# KiCad board keyboard.kicad_pcb
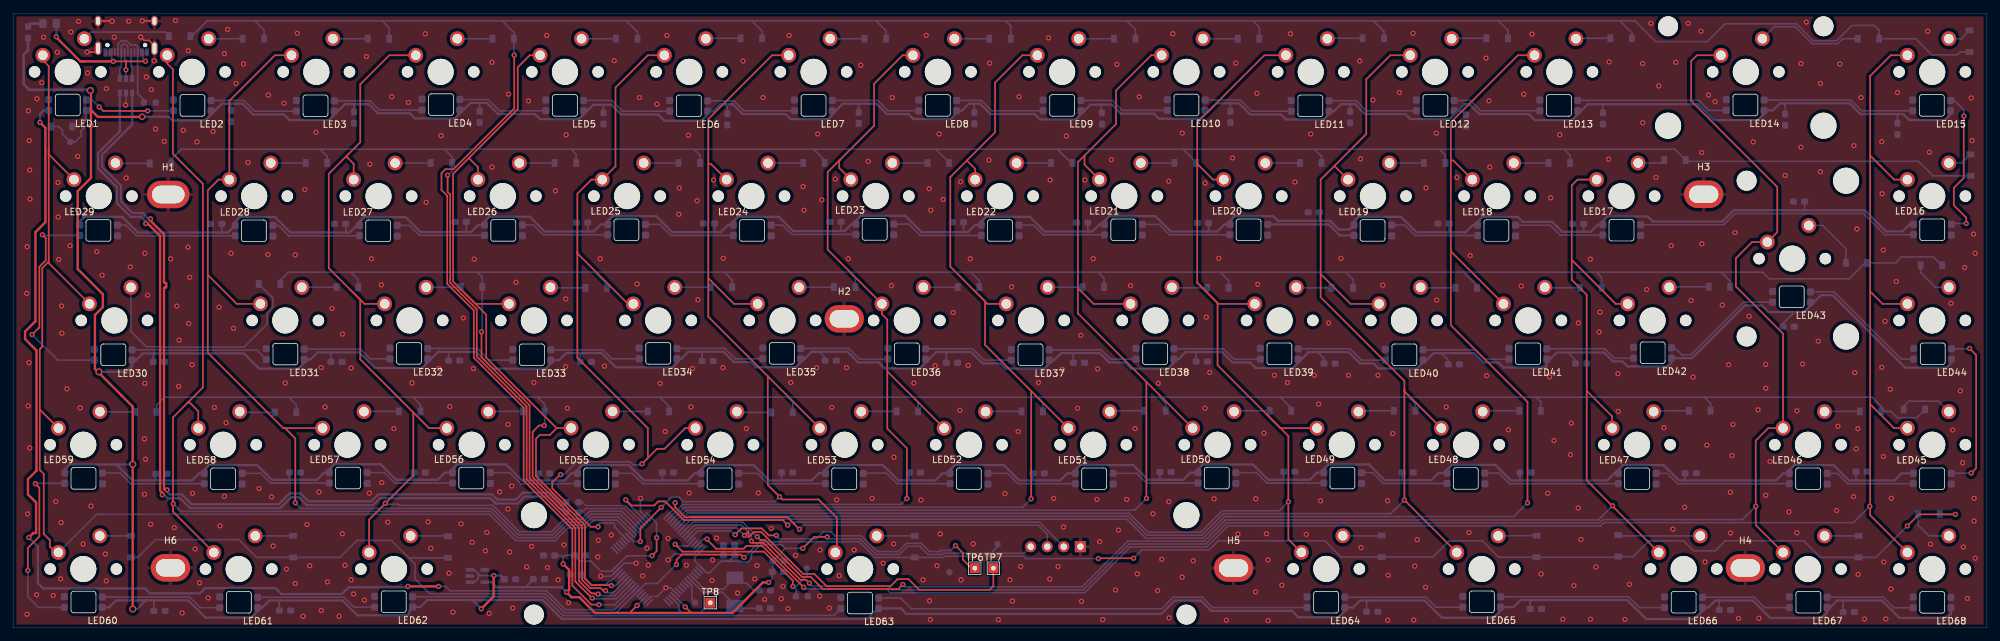
[diagram p0: board, top side]
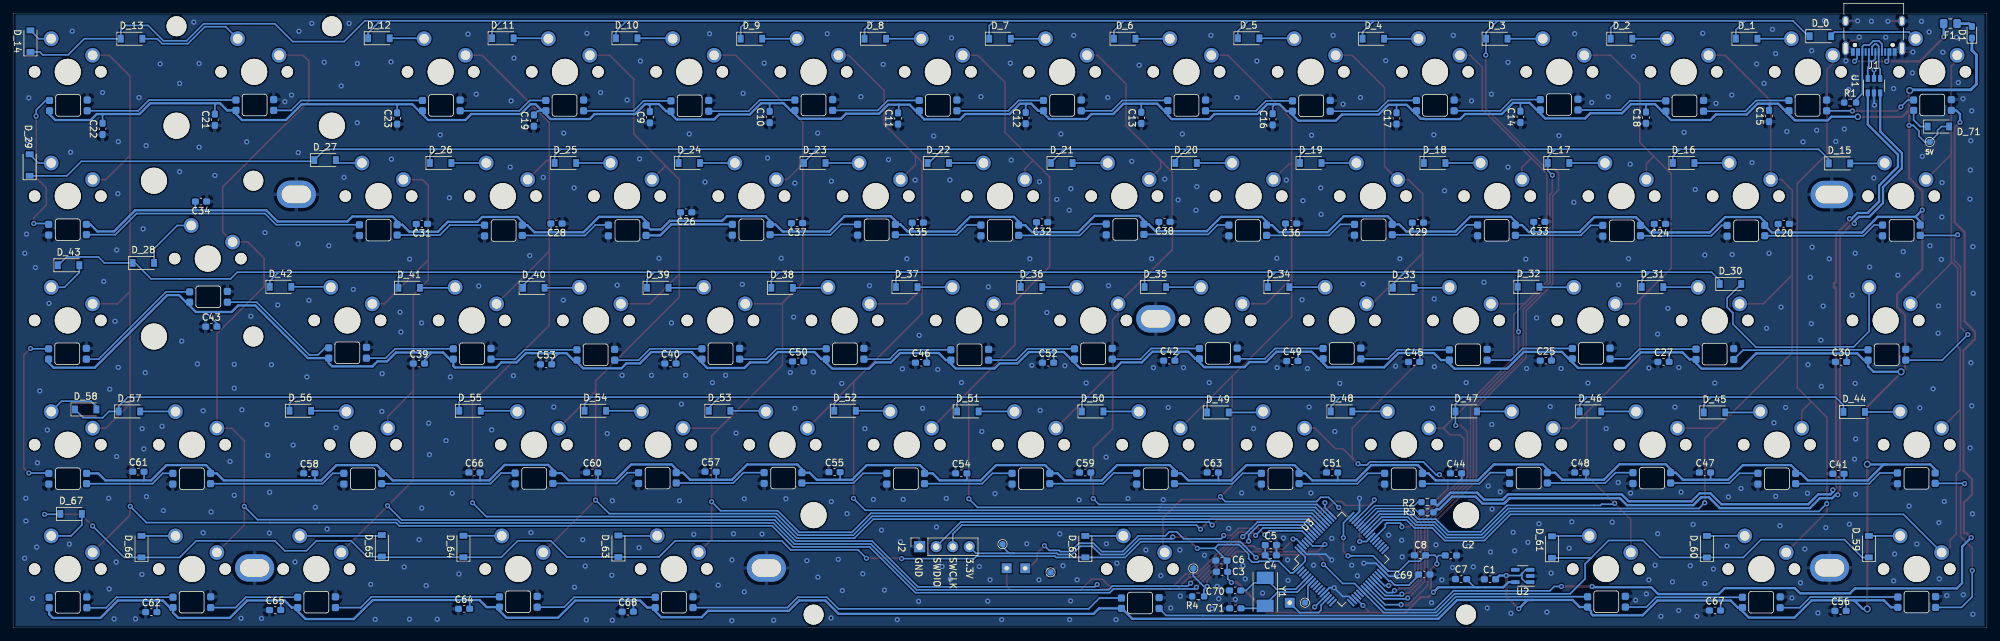
[diagram p1: board, bottom side, seen from below]

Outline 302.51 x 94.24 mm; copper layers: Top, Bottom. Coordinates in mm from the lower left corner of the outline.
Outline path: 0,94.24 302.51,94.24 302.51,0 0,0 0,94.24

## Placement (name value [footprint] x y rotation side)
C1  4.7uF  [C_0603_1608Metric_Pad1.08x0.95mm_HandSolder]  76.16 7.46 0 bottom
C2  100nF  [C_0603_1608Metric_Pad1.08x0.95mm_HandSolder]  82.15 11.11 180 bottom
C3  4.7uF  [C_0603_1608Metric_Pad1.08x0.95mm_HandSolder]  117.22 8.6 180 bottom
C4  100nF  [C_0603_1608Metric_Pad1.08x0.95mm_HandSolder]  109.75 11.14 0 bottom
C5  4.7uF  [C_0603_1608Metric_Pad1.08x0.95mm_HandSolder]  109.75 12.71 0 bottom
C6  100nF  [C_0603_1608Metric_Pad1.08x0.95mm_HandSolder]  117.32 10.32 180 bottom
C7  4.7uF  [C_0603_1608Metric_Pad1.08x0.95mm_HandSolder]  80.59 7.48 180 bottom
C8  100nF  [C_0603_1608Metric_Pad1.08x0.95mm_HandSolder]  86.89 11.14 180 bottom
C9  100nF  [C_0603_1608Metric_Pad1.08x0.95mm_HandSolder]  204.91 78.27 90 bottom
C10  100nF  [C_0603_1608Metric_Pad1.08x0.95mm_HandSolder]  186.56 78.31 90 bottom
C11  100nF  [C_0603_1608Metric_Pad1.08x0.95mm_HandSolder]  166.88 78.08 90 bottom
C12  100nF  [C_0603_1608Metric_Pad1.08x0.95mm_HandSolder]  147.32 78.14 90 bottom
C13  100nF  [C_0603_1608Metric_Pad1.08x0.95mm_HandSolder]  129.6 78.18 90 bottom
C14  100nF  [C_0603_1608Metric_Pad1.08x0.95mm_HandSolder]  71.5 78.33 90 bottom
C15  100nF  [C_0603_1608Metric_Pad1.08x0.95mm_HandSolder]  33.4 78.46 90 bottom
C16  100nF  [C_0603_1608Metric_Pad1.08x0.95mm_HandSolder]  109.47 77.95 90 bottom
C17  100nF  [C_0603_1608Metric_Pad1.08x0.95mm_HandSolder]  90.49 78.09 90 bottom
C18  100nF  [C_0603_1608Metric_Pad1.08x0.95mm_HandSolder]  52.26 78.21 90 bottom
C19  100nF  [C_0603_1608Metric_Pad1.08x0.95mm_HandSolder]  222.69 77.76 90 bottom
C20  100nF  [C_0603_1608Metric_Pad1.08x0.95mm_HandSolder]  31.14 61.92 0 bottom
C21  100nF  [C_0603_1608Metric_Pad1.08x0.95mm_HandSolder]  271.59 77.89 90 bottom
C22  100nF  [C_0603_1608Metric_Pad1.08x0.95mm_HandSolder]  288.8 76.49 90 bottom
C23  100nF  [C_0603_1608Metric_Pad1.08x0.95mm_HandSolder]  243.65 78.08 90 bottom
C24  100nF  [C_0603_1608Metric_Pad1.08x0.95mm_HandSolder]  50.13 61.92 0 bottom
C25  100nF  [C_0603_1608Metric_Pad1.08x0.95mm_HandSolder]  67.6 40.97 180 bottom
C26  100nF  [C_0603_1608Metric_Pad1.08x0.95mm_HandSolder]  199.35 63.7 0 bottom
C27  100nF  [C_0603_1608Metric_Pad1.08x0.95mm_HandSolder]  49.57 40.78 180 bottom
C28  100nF  [C_0603_1608Metric_Pad1.08x0.95mm_HandSolder]  219.23 61.99 0 bottom
C29  100nF  [C_0603_1608Metric_Pad1.08x0.95mm_HandSolder]  87.21 62.12 0 bottom
C30  100nF  [C_0603_1608Metric_Pad1.08x0.95mm_HandSolder]  22.35 40.78 180 bottom
C31  100nF  [C_0603_1608Metric_Pad1.08x0.95mm_HandSolder]  239.87 61.92 0 bottom
C32  100nF  [C_0603_1608Metric_Pad1.08x0.95mm_HandSolder]  144.81 62.18 0 bottom
C33  100nF  [C_0603_1608Metric_Pad1.08x0.95mm_HandSolder]  68.61 62.24 0 bottom
C34  100nF  [C_0603_1608Metric_Pad1.08x0.95mm_HandSolder]  273.71 65.35 0 bottom
C35  100nF  [C_0603_1608Metric_Pad1.08x0.95mm_HandSolder]  163.86 62.12 0 bottom
C36  100nF  [C_0603_1608Metric_Pad1.08x0.95mm_HandSolder]  106.64 61.99 0 bottom
C37  100nF  [C_0603_1608Metric_Pad1.08x0.95mm_HandSolder]  182.37 62.05 0 bottom
C38  100nF  [C_0603_1608Metric_Pad1.08x0.95mm_HandSolder]  126.05 62.24 0 bottom
C39  100nF  [C_0603_1608Metric_Pad1.08x0.95mm_HandSolder]  240.31 40.53 180 bottom
C40  100nF  [C_0603_1608Metric_Pad1.08x0.95mm_HandSolder]  201.77 40.53 180 bottom
C41  100nF  [C_0603_1608Metric_Pad1.08x0.95mm_HandSolder]  22.76 23.63 180 bottom
C42  100nF  [C_0603_1608Metric_Pad1.08x0.95mm_HandSolder]  125.31 40.97 180 bottom
C43  100nF  [C_0603_1608Metric_Pad1.08x0.95mm_HandSolder]  272.12 46.18 180 bottom
C44  100nF  [C_0603_1608Metric_Pad1.08x0.95mm_HandSolder]  81.37 23.7 180 bottom
C45  100nF  [C_0603_1608Metric_Pad1.08x0.95mm_HandSolder]  87.78 40.78 180 bottom
C46  100nF  [C_0603_1608Metric_Pad1.08x0.95mm_HandSolder]  163.35 40.65 180 bottom
C47  100nF  [C_0603_1608Metric_Pad1.08x0.95mm_HandSolder]  43.21 23.82 180 bottom
C48  100nF  [C_0603_1608Metric_Pad1.08x0.95mm_HandSolder]  62.32 23.82 180 bottom
C49  100nF  [C_0603_1608Metric_Pad1.08x0.95mm_HandSolder]  106.45 40.91 180 bottom
C50  100nF  [C_0603_1608Metric_Pad1.08x0.95mm_HandSolder]  182.18 40.84 180 bottom
C51  100nF  [C_0603_1608Metric_Pad1.08x0.95mm_HandSolder]  100.36 23.82 180 bottom
C52  100nF  [C_0603_1608Metric_Pad1.08x0.95mm_HandSolder]  143.89 40.65 180 bottom
C53  100nF  [C_0603_1608Metric_Pad1.08x0.95mm_HandSolder]  220.82 40.4 180 bottom
C54  100nF  [C_0603_1608Metric_Pad1.08x0.95mm_HandSolder]  157.19 23.7 180 bottom
C55  100nF  [C_0603_1608Metric_Pad1.08x0.95mm_HandSolder]  176.62 23.89 180 bottom
C56  100nF  [C_0603_1608Metric_Pad1.08x0.95mm_HandSolder]  22.44 2.62 180 bottom
C57  100nF  [C_0603_1608Metric_Pad1.08x0.95mm_HandSolder]  195.61 23.95 180 bottom
C58  100nF  [C_0603_1608Metric_Pad1.08x0.95mm_HandSolder]  257.11 23.7 180 bottom
C59  100nF  [C_0603_1608Metric_Pad1.08x0.95mm_HandSolder]  138.2 23.82 180 bottom
C60  100nF  [C_0603_1608Metric_Pad1.08x0.95mm_HandSolder]  213.74 23.82 180 bottom
C61  100nF  [C_0603_1608Metric_Pad1.08x0.95mm_HandSolder]  283.3 23.95 180 bottom
C62  100nF  [C_0603_1608Metric_Pad1.08x0.95mm_HandSolder]  281.33 2.43 180 bottom
C63  100nF  [C_0603_1608Metric_Pad1.08x0.95mm_HandSolder]  118.64 23.82 180 bottom
C64  100nF  [C_0603_1608Metric_Pad1.08x0.95mm_HandSolder]  233.39 2.93 180 bottom
C65  100nF  [C_0603_1608Metric_Pad1.08x0.95mm_HandSolder]  262.34 2.74 180 bottom
C66  100nF  [C_0603_1608Metric_Pad1.08x0.95mm_HandSolder]  231.8 23.82 180 bottom
C67  100nF  [C_0603_1608Metric_Pad1.08x0.95mm_HandSolder]  41.68 2.68 180 bottom
C68  100nF  [C_0603_1608Metric_Pad1.08x0.95mm_HandSolder]  208.31 2.49 180 bottom
C69  2.2uF  [C_0603_1608Metric_Pad1.08x0.95mm_HandSolder]  86.24 8.2 180 bottom
C70  22pF  [C_0603_1608Metric_Pad1.08x0.95mm_HandSolder]  115.22 5.75 0 bottom
C71  22pF  [C_0603_1608Metric_Pad1.08x0.95mm_HandSolder]  115.19 3.01 0 bottom
D1  D_Small  [D_0603_1608Metric_Pad1.05x0.95mm_HandSolder]  2.31 91.29 90 bottom
D_0  D  [D_SOD-123]  25.53 90.69 180 bottom
D_1  D  [D_SOD-123]  36.83 90.31 180 bottom
D_2  D  [D_SOD-123]  56.01 90.31 180 bottom
D_3  D  [D_SOD-123]  75.12 90.31 180 bottom
D_4  D  [D_SOD-123]  94.04 90.31 180 bottom
D_5  D  [D_SOD-123]  113.16 90.37 180 bottom
D_6  D  [D_SOD-123]  132.14 90.31 180 bottom
D_7  D  [D_SOD-123]  151.26 90.31 180 bottom
D_8  D  [D_SOD-123]  170.37 90.31 180 bottom
D_9  D  [D_SOD-123]  189.36 90.31 180 bottom
D_10  D  [D_SOD-123]  208.47 90.37 180 bottom
D_11  D  [D_SOD-123]  227.46 90.37 180 bottom
D_12  D  [D_SOD-123]  246.44 90.37 180 bottom
D_13  D  [D_SOD-123]  284.35 90.31 180 bottom
D_14  D  [D_SOD-123]  299.85 89.93 90 bottom
D_15  D  [D_SOD-123]  22.6 71.2 180 bottom
D_16  D  [D_SOD-123]  46.48 71.26 180 bottom
D_17  D  [D_SOD-123]  65.66 71.26 180 bottom
D_18  D  [D_SOD-123]  84.64 71.26 180 bottom
D_19  D  [D_SOD-123]  103.63 71.26 180 bottom
D_20  D  [D_SOD-123]  122.75 71.26 180 bottom
D_21  D  [D_SOD-123]  141.79 71.26 180 bottom
D_22  D  [D_SOD-123]  160.72 71.26 180 bottom
D_23  D  [D_SOD-123]  179.64 71.26 180 bottom
D_24  D  [D_SOD-123]  198.88 71.26 180 bottom
D_25  D  [D_SOD-123]  217.87 71.26 180 bottom
D_26  D  [D_SOD-123]  236.98 71.26 180 bottom
D_27  D  [D_SOD-123]  254.7 71.7 180 bottom
D_28  D  [D_SOD-123]  282.55 55.94 180 bottom
D_29  D  [D_SOD-123]  299.97 70.94 90 bottom
D_30  D  [D_SOD-123]  39.31 52.72 180 bottom
D_31  D  [D_SOD-123]  51.26 52.23 180 bottom
D_32  D  [D_SOD-123]  70.26 52.29 180 bottom
D_33  D  [D_SOD-123]  89.38 52.13 180 bottom
D_34  D  [D_SOD-123]  108.56 52.23 180 bottom
D_35  D  [D_SOD-123]  127.46 52.23 180 bottom
D_36  D  [D_SOD-123]  146.43 52.23 180 bottom
D_37  D  [D_SOD-123]  165.56 52.23 180 bottom
D_38  D  [D_SOD-123]  184.66 52.13 180 bottom
D_39  D  [D_SOD-123]  203.71 52.13 180 bottom
D_40  D  [D_SOD-123]  222.71 52.13 180 bottom
D_41  D  [D_SOD-123]  241.81 52.13 180 bottom
D_42  D  [D_SOD-123]  261.52 52.29 180 bottom
D_43  D  [D_SOD-123]  294 55.59 180 bottom
D_44  D  [D_SOD-123]  20.35 33.11 180 bottom
D_45  D  [D_SOD-123]  41.76 33.03 180 bottom
D_46  D  [D_SOD-123]  60.78 33.18 180 bottom
D_47  D  [D_SOD-123]  79.81 33.18 180 bottom
D_48  D  [D_SOD-123]  98.91 33.18 180 bottom
D_49  D  [D_SOD-123]  117.86 33.03 180 bottom
D_50  D  [D_SOD-123]  137.06 33.18 180 bottom
D_51  D  [D_SOD-123]  156.18 33.18 180 bottom
D_52  D  [D_SOD-123]  175.01 33.29 180 bottom
D_53  D  [D_SOD-123]  194.23 33.29 180 bottom
D_54  D  [D_SOD-123]  213.28 33.29 180 bottom
D_55  D  [D_SOD-123]  232.49 33.29 180 bottom
D_56  D  [D_SOD-123]  258.5 33.29 180 bottom
D_57  D  [D_SOD-123]  284.68 33.18 180 bottom
D_58  D  [D_SOD-123]  291.39 33.49 180 bottom
D_59  D  [D_SOD-123]  18.1 12.46 90 bottom
D_60  D  [D_SOD-123]  42.93 12.46 90 bottom
D_61  D  [D_SOD-123]  66.68 12.39 90 bottom
D_62  D  [D_SOD-123]  138.18 12.46 90 bottom
D_63  D  [D_SOD-123]  209.74 12.52 90 bottom
D_64  D  [D_SOD-123]  233.49 12.48 90 bottom
D_65  D  [D_SOD-123]  246 12.58 90 bottom
D_66  D  [D_SOD-123]  282.83 12.46 90 bottom
D_67  D  [D_SOD-123]  293.62 17.49 180 bottom
D_71  D  [D_SOD-123]  7.44 76.85 180 bottom
F1  500mA  [Fuse_0805_2012Metric_Pad1.15x1.40mm_HandSolder]  5.61 92.63 180 bottom
H1  MountingHole_Pad  [MountingHole_3.2mm_M3_Pad]  23.79 66.43 0 top
H2  MountingHole_Pad  [MountingHole_3.2mm_M3_Pad#2]  127.39 47.38 0 top
H3  MountingHole_Pad  [MountingHole_3.2mm_M3_Pad#2]  259.1 66.46 0 top
H4  MountingHole_Pad  [MountingHole_3.2mm_M3_Pad#2]  265.49 9.2 0 top
H5  MountingHole_Pad  [MountingHole_3.2mm_M3_Pad#2]  187.06 9.19 0 top
H6  MountingHole_Pad  [MountingHole_3.2mm_M3_Pad#2]  24.13 9.22 0 top
J1  USB_C_Receptacle_USB2.0  [USB_C_Receptacle_XKB_U262-16XN-4BVC11]  17.35 91.95 0 bottom
J2  Conn_01x04_Male  [PinSocket_1x04_P2.54mm_Vertical]  163.58 12.46 90 bottom
K_0  KEYSW  [MXOnly-1U-NoLED]  8.38 85.23 0 top
K_1  KEYSW  [MXOnly-1U-NoLED]  27.43 85.23 0 top
K_2  KEYSW  [MXOnly-1U-NoLED]  46.48 85.23 0 top
K_3  KEYSW  [MXOnly-1U-NoLED]  65.53 85.23 0 top
K_4  KEYSW  [MXOnly-1U-NoLED]  84.58 85.23 0 top
K_5  KEYSW  [MXOnly-1U-NoLED]  103.63 85.23 0 top
K_6  KEYSW  [MXOnly-1U-NoLED]  122.68 85.23 0 top
K_7  KEYSW  [MXOnly-1U-NoLED]  141.73 85.23 0 top
K_8  KEYSW  [MXOnly-1U-NoLED]  160.78 85.23 0 top
K_9  KEYSW  [MXOnly-1U-NoLED]  179.83 85.23 0 top
K_10  KEYSW  [MXOnly-1U-NoLED]  198.88 85.23 0 top
K_11  KEYSW  [MXOnly-1U-NoLED]  217.93 85.23 0 top
K_12  KEYSW  [MXOnly-1U-NoLED]  236.98 85.23 0 top
K_13  KEYSW  [MXOnly-2U-NoLED]  265.56 85.23 0 top
K_14  KEYSW  [MXOnly-1U-NoLED]  294.13 85.23 0 top
K_15  KEYSW  [MXOnly-1.5U-NoLED]  13.14 66.18 0 top
K_16  KEYSW  [MXOnly-1U-NoLED]  36.96 66.18 0 top
K_17  KEYSW  [MXOnly-1U-NoLED]  56.01 66.18 0 top
K_18  KEYSW  [MXOnly-1U-NoLED]  75.06 66.18 0 top
K_19  KEYSW  [MXOnly-1U-NoLED]  94.11 66.18 0 top
K_20  KEYSW  [MXOnly-1U-NoLED]  113.16 66.18 0 top
K_21  KEYSW  [MXOnly-1U-NoLED]  132.21 66.18 0 top
K_22  KEYSW  [MXOnly-1U-NoLED]  151.26 66.18 0 top
K_23  KEYSW  [MXOnly-1U-NoLED]  170.31 66.18 0 top
K_24  KEYSW  [MXOnly-1U-NoLED]  189.36 66.18 0 top
K_25  KEYSW  [MXOnly-1U-NoLED]  208.41 66.18 0 top
K_26  KEYSW  [MXOnly-1U-NoLED]  227.46 66.18 0 top
K_27  KEYSW  [MXOnly-1U-NoLED]  246.51 66.18 0 top
K_28  KEYSW  [MXOnly-ISO-NoLED]  272.67 56.6 0 top
K_29  KEYSW  [MXOnly-1U-NoLED]  294.13 66.18 0 top
K_30  KEYSW  [MXOnly-1.75U-NoLED]  15.53 47.13 0 top
K_31  KEYSW  [MXOnly-1U-NoLED]  41.72 47.13 0 top
K_32  KEYSW  [MXOnly-1U-NoLED]  60.77 47.13 0 top
K_33  KEYSW  [MXOnly-1U-NoLED]  79.82 47.13 0 top
K_34  KEYSW  [MXOnly-1U-NoLED]  98.87 47.13 0 top
K_35  KEYSW  [MXOnly-1U-NoLED]  117.92 47.13 0 top
K_36  KEYSW  [MXOnly-1U-NoLED]  136.97 47.13 0 top
K_37  KEYSW  [MXOnly-1U-NoLED]  156.02 47.13 0 top
K_38  KEYSW  [MXOnly-1U-NoLED]  175.07 47.13 0 top
K_39  KEYSW  [MXOnly-1U-NoLED]  194.12 47.13 0 top
K_40  KEYSW  [MXOnly-1U-NoLED]  213.17 47.13 0 top
K_41  KEYSW  [MXOnly-1U-NoLED]  232.22 47.13 0 top
K_42  KEYSW  [MXOnly-1U-NoLED]  251.27 47.13 0 top
K_43  KEYSW  [MXOnly-1U-NoLED]  294.13 47.13 0 top
K_44  KEYSW  [MXOnly-1.25U-NoLED]  10.76 28.08 0 top
K_45  KEYSW  [MXOnly-1U-NoLED]  32.19 28.08 0 top
K_46  KEYSW  [MXOnly-1U-NoLED]  51.24 28.08 0 top
K_47  KEYSW  [MXOnly-1U-NoLED]  70.29 28.08 0 top
K_48  KEYSW  [MXOnly-1U-NoLED]  89.33 28.1 0 top
K_49  KEYSW  [MXOnly-1U-NoLED]  108.39 28.08 0 top
K_50  KEYSW  [MXOnly-1U-NoLED]  127.44 28.08 0 top
K_51  KEYSW  [MXOnly-1U-NoLED]  146.49 28.08 0 top
K_52  KEYSW  [MXOnly-1U-NoLED]  165.54 28.08 0 top
K_53  KEYSW  [MXOnly-1U-NoLED]  184.59 28.08 0 top
K_54  KEYSW  [MXOnly-1U-NoLED]  203.64 28.08 0 top
K_55  KEYSW  [MXOnly-1U-NoLED]  222.69 28.08 0 top
K_56  KEYSW  [MXOnly-1.75U-NoLED]  248.89 28.08 0 top
K_57  KEYSW  [MXOnly-1U-NoLED]  275.08 28.08 0 top
K_58  KEYSW  [MXOnly-1U-NoLED]  294.13 28.08 0 top
K_59  KEYSW  [MXOnly-1.25U-NoLED]  10.76 9.03 0 top
K_60  KEYSW  [MXOnly-1.25U-NoLED]  34.58 9.03 0 top
K_61  KEYSW  [MXOnly-1.25U-NoLED]  58.39 9.03 0 top
K_62  KEYSW  [MXOnly-6.25U-ReversedStabilizers-NoLED]  129.83 9.03 0 top
K_63  KEYSW  [MXOnly-1.25U-NoLED]  201.26 9.05 0 top
K_64  KEYSW  [MXOnly-1.25U-NoLED]  225.08 9.03 0 top
K_65  KEYSW  [MXOnly-1U-NoLED]  256.03 9.03 0 top
K_66  KEYSW  [MXOnly-1U-NoLED]  275.08 9.03 0 top
K_67  KEYSW  [MXOnly-1U-NoLED]  294.13 9.03 0 top
LED1  SK6812MINI  [LED-RGB-SKMINI]  8.38 80.15 180 top
LED2  SK6812MINI  [LED-RGB-SKMINI]  27.5 80.09 180 top
LED3  SK6812MINI  [LED-RGB-SKMINI]  46.35 80.02 180 top
LED4  SK6812MINI  [LED-RGB-SKMINI]  65.6 80.21 180 top
LED5  SK6812MINI  [LED-RGB-SKMINI]  84.58 80.09 180 top
LED6  SK6812MINI  [LED-RGB-SKMINI]  103.57 80.02 180 top
LED7  SK6812MINI  [LED-RGB-SKMINI]  122.68 80.09 180 top
LED8  SK6812MINI  [LED-RGB-SKMINI]  141.73 80.09 180 top
LED9  SK6812MINI  [LED-RGB-SKMINI]  160.78 80.09 180 top
LED10  SK6812MINI  [LED-RGB-SKMINI]  179.83 80.15 180 top
LED11  SK6812MINI  [LED-RGB-SKMINI]  198.82 80.02 180 top
LED12  SK6812MINI  [LED-RGB-SKMINI]  218 80.09 180 top
LED13  SK6812MINI  [LED-RGB-SKMINI]  236.92 80.09 180 top
LED14  SK6812MINI  [LED-RGB-SKMINI]  265.49 80.15 180 top
LED15  SK6812MINI  [LED-RGB-SKMINI]  294.07 80.09 180 top
LED16  SK6812MINI  [LED-RGB-SKMINI]  294.13 61.04 0 top
LED17  SK6812MINI  [LED-RGB-SKMINI]  246.51 60.97 0 top
LED18  SK6812MINI  [LED-RGB-SKMINI]  227.33 60.91 0 top
LED19  SK6812MINI  [LED-RGB-SKMINI]  208.36 60.92 0 top
LED20  SK6812MINI  [LED-RGB-SKMINI]  189.36 61.02 0 top
LED21  SK6812MINI  [LED-RGB-SKMINI]  170.15 61.02 0 top
LED22  SK6812MINI  [LED-RGB-SKMINI]  151.26 60.92 0 top
LED23  SK6812MINI  [LED-RGB-SKMINI]  132.05 61.07 0 top
LED24  SK6812MINI  [LED-RGB-SKMINI]  113.26 60.92 0 top
LED25  SK6812MINI  [LED-RGB-SKMINI]  94.01 61.02 0 top
LED26  SK6812MINI  [LED-RGB-SKMINI]  75.13 60.93 0 top
LED27  SK6812MINI  [LED-RGB-SKMINI]  55.96 60.87 0 top
LED28  SK6812MINI  [LED-RGB-SKMINI]  36.91 60.87 0 top
LED29  SK6812MINI  [LED-RGB-SKMINI]  13.08 60.92 0 top
LED30  SK6812MINI  [LED-RGB-SKMINI]  15.37 41.87 180 top
LED31  SK6812MINI  [LED-RGB-SKMINI]  41.73 41.97 180 top
LED32  SK6812MINI  [LED-RGB-SKMINI]  60.68 42.07 180 top
LED33  SK6812MINI  [LED-RGB-SKMINI]  79.53 41.87 180 top
LED34  SK6812MINI  [LED-RGB-SKMINI]  98.88 42.07 180 top
LED35  SK6812MINI  [LED-RGB-SKMINI]  117.83 42.07 180 top
LED36  SK6812MINI  [LED-RGB-SKMINI]  136.98 42.02 180 top
LED37  SK6812MINI  [LED-RGB-SKMINI]  155.93 41.87 180 top
LED38  SK6812MINI  [LED-RGB-SKMINI]  175.03 42.02 180 top
LED39  SK6812MINI  [LED-RGB-SKMINI]  194.08 42.02 180 top
LED40  SK6812MINI  [LED-RGB-SKMINI]  213.23 41.87 180 top
LED41  SK6812MINI  [LED-RGB-SKMINI]  232.18 42.02 180 top
LED42  SK6812MINI  [LED-RGB-SKMINI]  251.28 42.18 180 top
LED43  SK6812MINI  [LED-RGB-SKMINI]  272.59 50.75 180 top
LED44  SK6812MINI  [LED-RGB-SKMINI]  294.21 42.02 180 top
LED45  SK6812MINI  [LED-RGB-SKMINI]  294.11 22.87 0 top
LED46  SK6812MINI  [LED-RGB-SKMINI]  275.11 22.87 0 top
LED47  SK6812MINI  [LED-RGB-SKMINI]  248.89 22.87 0 top
LED48  SK6812MINI  [LED-RGB-SKMINI]  222.64 22.91 0 top
LED49  SK6812MINI  [LED-RGB-SKMINI]  203.73 22.97 0 top
LED50  SK6812MINI  [LED-RGB-SKMINI]  184.48 22.97 0 top
LED51  SK6812MINI  [LED-RGB-SKMINI]  165.68 22.87 0 top
LED52  SK6812MINI  [LED-RGB-SKMINI]  146.48 22.87 0 top
LED53  SK6812MINI  [LED-RGB-SKMINI]  127.38 22.87 0 top
LED54  SK6812MINI  [LED-RGB-SKMINI]  108.28 22.87 0 top
LED55  SK6812MINI  [LED-RGB-SKMINI]  89.38 22.87 0 top
LED56  SK6812MINI  [LED-RGB-SKMINI]  70.23 22.97 0 top
LED57  SK6812MINI  [LED-RGB-SKMINI]  51.33 22.97 0 top
LED58  SK6812MINI  [LED-RGB-SKMINI]  32.18 22.87 0 top
LED59  SK6812MINI  [LED-RGB-SKMINI]  10.8 22.92 0 top
LED60  SK6812MINI  [LED-RGB-SKMINI]  10.8 3.97 180 top
LED61  SK6812MINI  [LED-RGB-SKMINI]  34.61 3.94 180 top
LED62  SK6812MINI  [LED-RGB-SKMINI]  58.34 4.03 180 top
LED63  SK6812MINI  [LED-RGB-SKMINI]  129.79 3.82 180 top
LED64  SK6812MINI  [LED-RGB-SKMINI]  201.23 3.95 180 top
LED65  SK6812MINI  [LED-RGB-SKMINI]  225.11 4.01 180 top
LED66  SK6812MINI  [LED-RGB-SKMINI]  256.03 3.95 180 top
LED67  SK6812MINI  [LED-RGB-SKMINI]  275.15 3.95 180 top
LED68  SK6812MINI  [LED-RGB-SKMINI]  294.13 3.92 180 top
R1  5.1k  [R_0603_1608Metric_Pad0.98x0.95mm_HandSolder]  20.97 80.52 180 bottom
R2  22R  [R_0603_1608Metric_Pad0.98x0.95mm_HandSolder]  85.75 17.72 180 bottom
R3  22R  [R_0603_1608Metric_Pad0.98x0.95mm_HandSolder]  85.75 19.29 0 bottom
R4  5.1k  [R_0603_1608Metric_Pad0.98x0.95mm_HandSolder]  120.88 4.84 180 bottom
TP1  TestPoint  [TestPoint_Pad_D1.0mm]  150.88 12.84 0 bottom
TP2  TestPoint  [TestPoint_Pad_D1.0mm]  121.64 9.12 0 bottom
TP3  TestPoint  [TestPoint_Pad_D1.0mm]  104.52 3.87 0 bottom
TP4  TestPoint  [TestPoint_Pad_D1.0mm]  143.51 8.52 0 bottom
TP5  TestPoint  [TestPoint_Pad_D1.0mm]  8.77 74.49 0 bottom
TP6  SCL  [TestPoint_THTPad_1.5x1.5mm_Drill0.7mm]  147.4 9.16 0 top
TP7  SCL  [TestPoint_THTPad_1.5x1.5mm_Drill0.7mm]  150.24 9.16 0 top
TP8  TIM2_1  [TestPoint_THTPad_1.5x1.5mm_Drill0.7mm]  106.86 3.87 0 top
U1  USBLC6-2SC6  [SOT-23-6]  17.31 83.1 90 bottom
U2  ADP150  [SOT-23-5]  71.15 7.97 0 bottom
U3  STM32F401RCTx  [LQFP-64_10x10mm_P0.5mm]  98.87 10.54 135 bottom
Y1  Crystal  [Crystal_SMD_Abracon_ABM7-2Pin_6.0x3.5mm]  110.62 5.53 270 bottom

## Footprints (pads in the part's own frame, mm; a bottom-side part is the same pattern mirrored in y, then rotated)
C_0603_1608Metric_Pad1.08x0.95mm_HandSolder
  rrect 1.075x0.95 smd: 1(-0.863,0) 2(0.863,0)
Crystal_SMD_Abracon_ABM7-2Pin_6.0x3.5mm
  rect 1.9x2.6 smd: 1(-2.15,0) 2(2.15,0)
D_0603_1608Metric_Pad1.05x0.95mm_HandSolder
  rrect 1.05x0.95 smd: 1(-0.875,0) 2(0.875,0)
D_SOD-123
  rect 0.9x1.2 smd: 1(-1.65,0) 2(1.65,0)
Fuse_0805_2012Metric_Pad1.15x1.40mm_HandSolder
  rrect 1.15x1.4 smd: 1(-1.025,0) 2(1.025,0)
LED-RGB-SKMINI
  rrect 1.1x1.1 smd far side: 1(-2.857,-0.762) 2(2.921,-0.826) 3(2.921,0.826) 4(-2.857,0.826)
LQFP-64_10x10mm_P0.5mm
  rrect 1.55x0.3 smd: 1(-5.675,3.75) 2(-5.675,3.25) 3(-5.675,2.75) 4(-5.675,2.25) 5(-5.675,1.75) 6(-5.675,1.25) 7(-5.675,0.75) 8(-5.675,0.25) 9(-5.675,-0.25) 10(-5.675,-0.75) 11(-5.675,-1.25) 12(-5.675,-1.75) 13(-5.675,-2.25) 14(-5.675,-2.75) 15(-5.675,-3.25) 16(-5.675,-3.75) 33(5.675,-3.75) 34(5.675,-3.25) 35(5.675,-2.75) 36(5.675,-2.25) 37(5.675,-1.75) 38(5.675,-1.25) 39(5.675,-0.75) 40(5.675,-0.25) 41(5.675,0.25) 42(5.675,0.75) 43(5.675,1.25) 44(5.675,1.75) 45(5.675,2.25) 46(5.675,2.75) 47(5.675,3.25) 48(5.675,3.75)
  rrect 0.3x1.55 smd: 17(-3.75,-5.675) 18(-3.25,-5.675) 19(-2.75,-5.675) 20(-2.25,-5.675) 21(-1.75,-5.675) 22(-1.25,-5.675) 23(-0.75,-5.675) 24(-0.25,-5.675) 25(0.25,-5.675) 26(0.75,-5.675) 27(1.25,-5.675) 28(1.75,-5.675) 29(2.25,-5.675) 30(2.75,-5.675) 31(3.25,-5.675) 32(3.75,-5.675) 49(3.75,5.675) 50(3.25,5.675) 51(2.75,5.675) 52(2.25,5.675) 53(1.75,5.675) 54(1.25,5.675) 55(0.75,5.675) 56(0.25,5.675) 57(-0.25,5.675) 58(-0.75,5.675) 59(-1.25,5.675) 60(-1.75,5.675) 61(-2.25,5.675) 62(-2.75,5.675) 63(-3.25,5.675) 64(-3.75,5.675)
MountingHole_3.2mm_M3_Pad
  oval 6.5x4.2 hole 5x2.7: 1(0,0)
MountingHole_3.2mm_M3_Pad#2
  oval 6x4.2 hole 4.5x2.7: 1(0,0)
MXOnly-1.5U-NoLED
  round 1.75 hole 1.75 unplated: (-5.08,0) (5.08,0)
  round 3.988 hole 3.988 unplated: (0,0)
  round 2.25 hole 1.47: 1(-3.81,2.54) 2(2.54,5.08)
MXOnly-1.25U-NoLED
  round 1.75 hole 1.75 unplated: (-5.08,0) (5.08,0)
  round 3.988 hole 3.988 unplated: (0,0)
  round 2.25 hole 1.47: 1(-3.81,2.54) 2(2.54,5.08)
MXOnly-1.75U-NoLED
  round 1.75 hole 1.75 unplated: (-5.08,0) (5.08,0)
  round 3.988 hole 3.988 unplated: (0,0)
  round 2.25 hole 1.47: 1(-3.81,2.54) 2(2.54,5.08)
MXOnly-1U-NoLED
  round 1.75 hole 1.75 unplated: (-5.08,0) (5.08,0)
  round 3.988 hole 3.988 unplated: (0,0)
  round 2.25 hole 1.47: 1(-3.81,2.54) 2(2.54,5.08)
MXOnly-2U-NoLED
  round 3.048 hole 3.048 unplated: (-11.906,6.985) (11.906,6.985)
  round 3.988 hole 3.988 unplated: (-11.906,-8.255) (0,0) (11.906,-8.255)
  round 1.75 hole 1.75 unplated: (-5.08,0) (5.08,0)
  round 2.25 hole 1.47: 1(-3.81,2.54) 2(2.54,5.08)
MXOnly-6.25U-ReversedStabilizers-NoLED
  round 3.988 hole 3.988 unplated: (-50,8.255) (0,0) (50,8.255)
  round 3.048 hole 3.048 unplated: (-50,-6.985) (50,-6.985)
  round 1.75 hole 1.75 unplated: (-5.08,0) (5.08,0)
  round 2.25 hole 1.47: 1(-3.81,2.54) 2(2.54,5.08)
MXOnly-ISO-NoLED
  round 3.048 hole 3.048 unplated: (-6.985,11.938) (-6.985,-11.938)
  round 1.75 hole 1.75 unplated: (-5.08,0) (5.08,0)
  round 3.988 hole 3.988 unplated: (0,0) (8.255,11.938) (8.255,-11.938)
  round 2.25 hole 1.47: 1(-3.81,2.54) 2(2.54,5.08)
PinSocket_1x04_P2.54mm_Vertical
  rect 1.7x1.7 hole 1: 1(0,0)
  oval 1.7x1.7 hole 1: 2(0,-2.54) 3(0,-5.08) 4(0,-7.62)
R_0603_1608Metric_Pad0.98x0.95mm_HandSolder
  rrect 0.975x0.95 smd: 1(-0.912,0) 2(0.912,0)
SOT-23-5
  rrect 1.325x0.6 smd: 1(-1.137,0.95) 2(-1.137,0) 3(-1.137,-0.95) 4(1.137,-0.95) 5(1.137,0.95)
SOT-23-6
  rect 1.06x0.65 smd: 1(-1.1,0.95) 2(-1.1,0) 3(-1.1,-0.95) 4(1.1,-0.95) 5(1.1,0) 6(1.1,0.95)
TestPoint_Pad_D1.0mm
  round 1 smd: 1(0,0)
TestPoint_THTPad_1.5x1.5mm_Drill0.7mm
  rect 1.5x1.5 hole 0.7: 1(0,0)
USB_C_Receptacle_XKB_U262-16XN-4BVC11
  round 0.65 hole 0.65 unplated: (-2.89,2.605) (2.89,2.605)
  rect 0.3x1.15 smd: A1(-3.35,3.67) A4(-2.55,3.67) A5(-1.25,3.67) A6(-0.25,3.67) A7(0.25,3.67) A8(1.25,3.67) A9(2.55,3.67) A12(3.35,3.67) B1(3.05,3.67) B4(2.25,3.67) B5(1.75,3.67) B6(0.75,3.67) B7(-0.75,3.67) B8(-1.75,3.67) B9(-2.25,3.67) B12(-3.05,3.67)
  oval 1x1.6 hole 0.6x1.2: S1(-4.32,-1.075) S1(4.32,-1.075)
  oval 1x2.1 hole 0.6x1.7: S1(-4.32,3.105) S1(4.32,3.105)
